# KiCad board MSX OPL4 Wozblaster.kicad_pcb
title: MSX OPL4 Wozblaster Reloaded; date: 2023-08-26; rev: 4.0; company: The Retro Hacker; note: Reloaded by Cristiano Goncalves; note: Original Design by Gustavo Iriarte; note: Wozblaster Reloaded v4
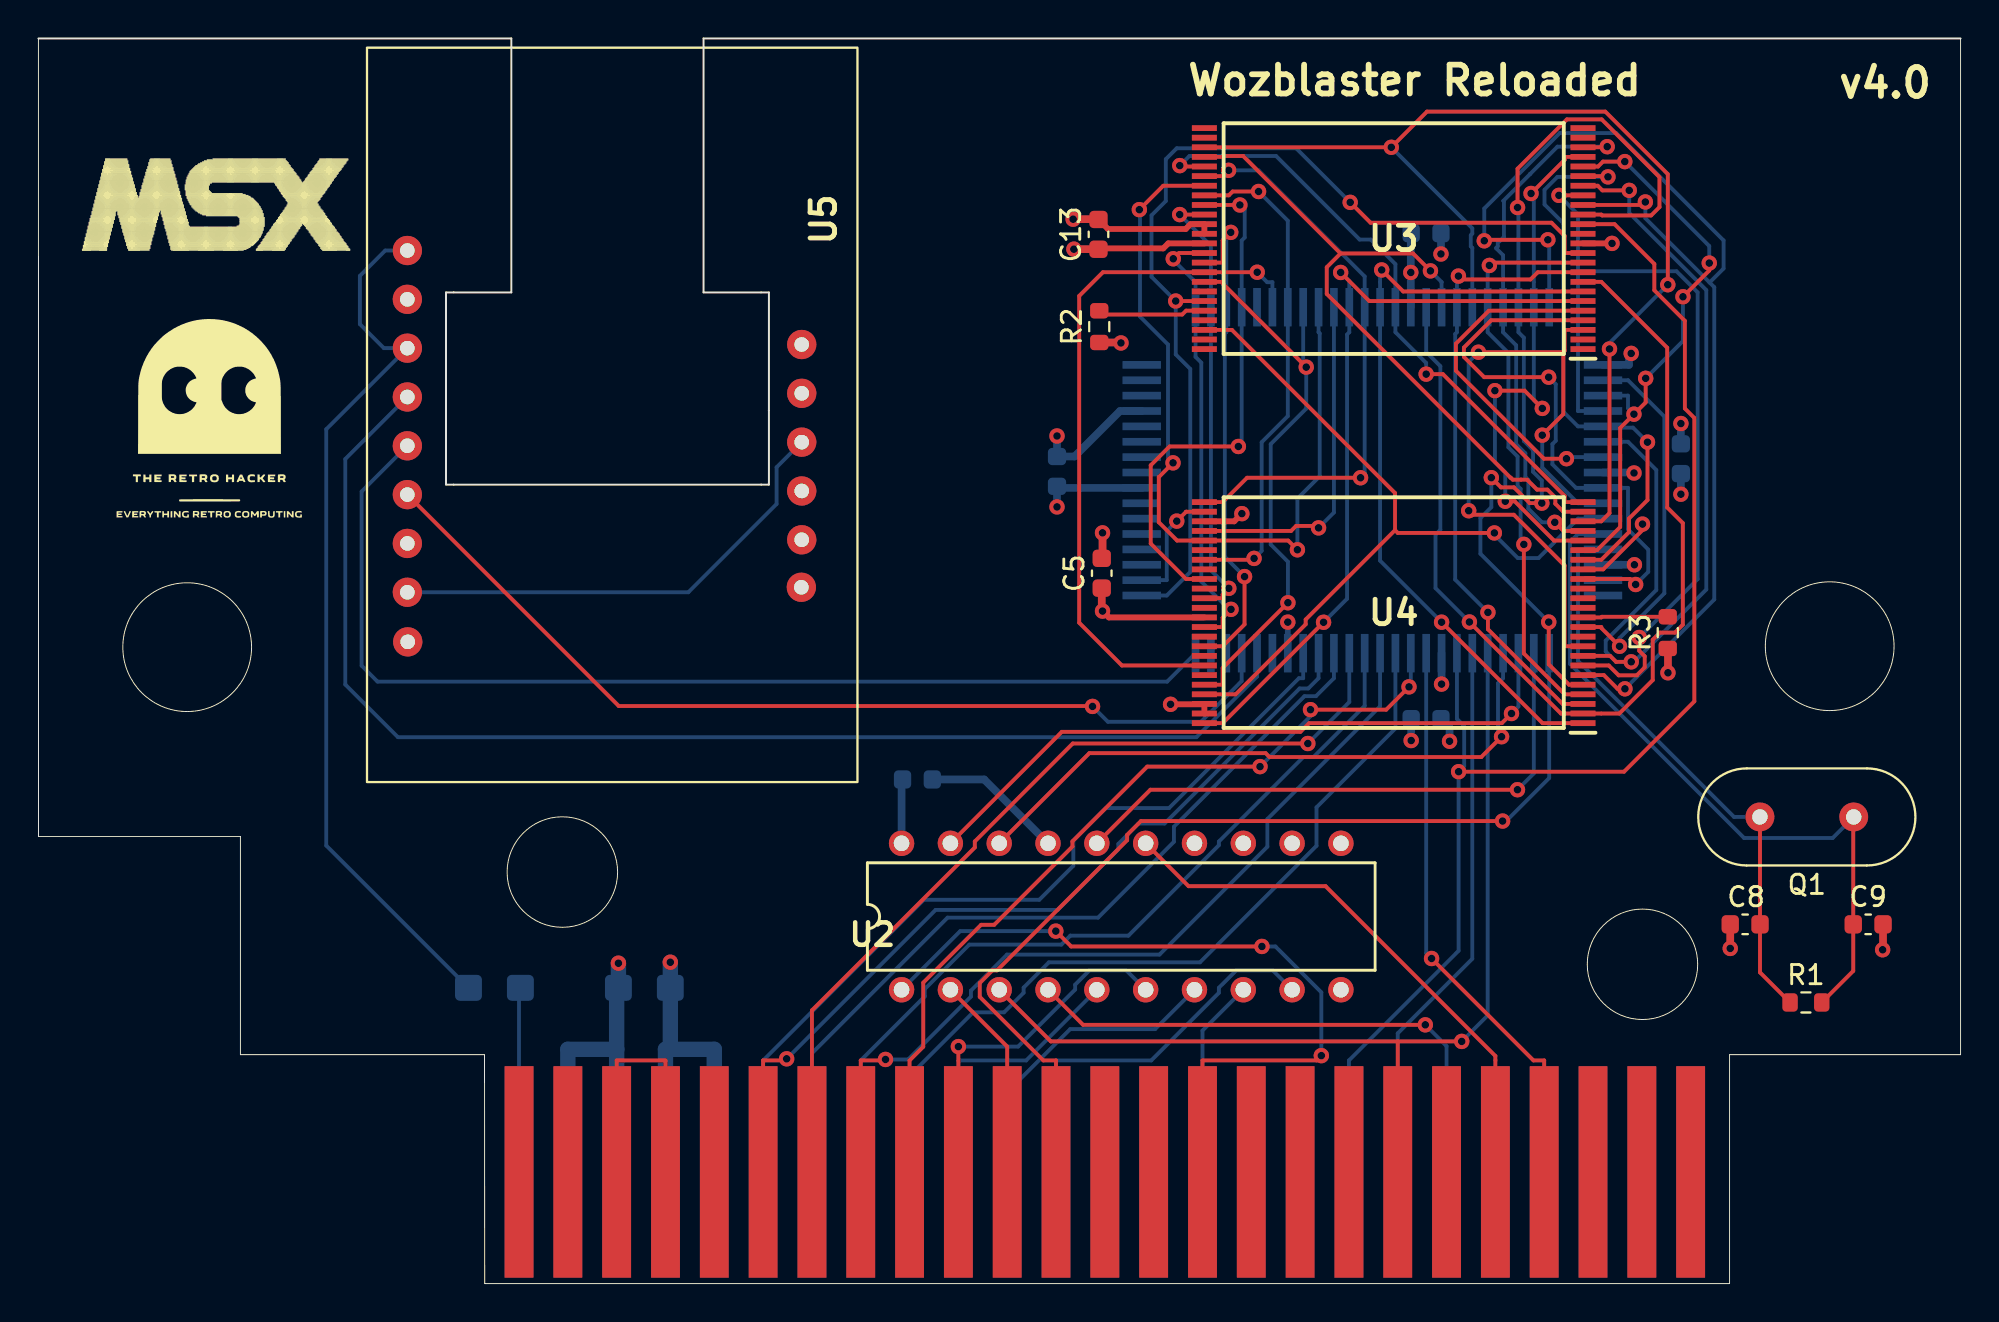
[diagram p0: board, top side]
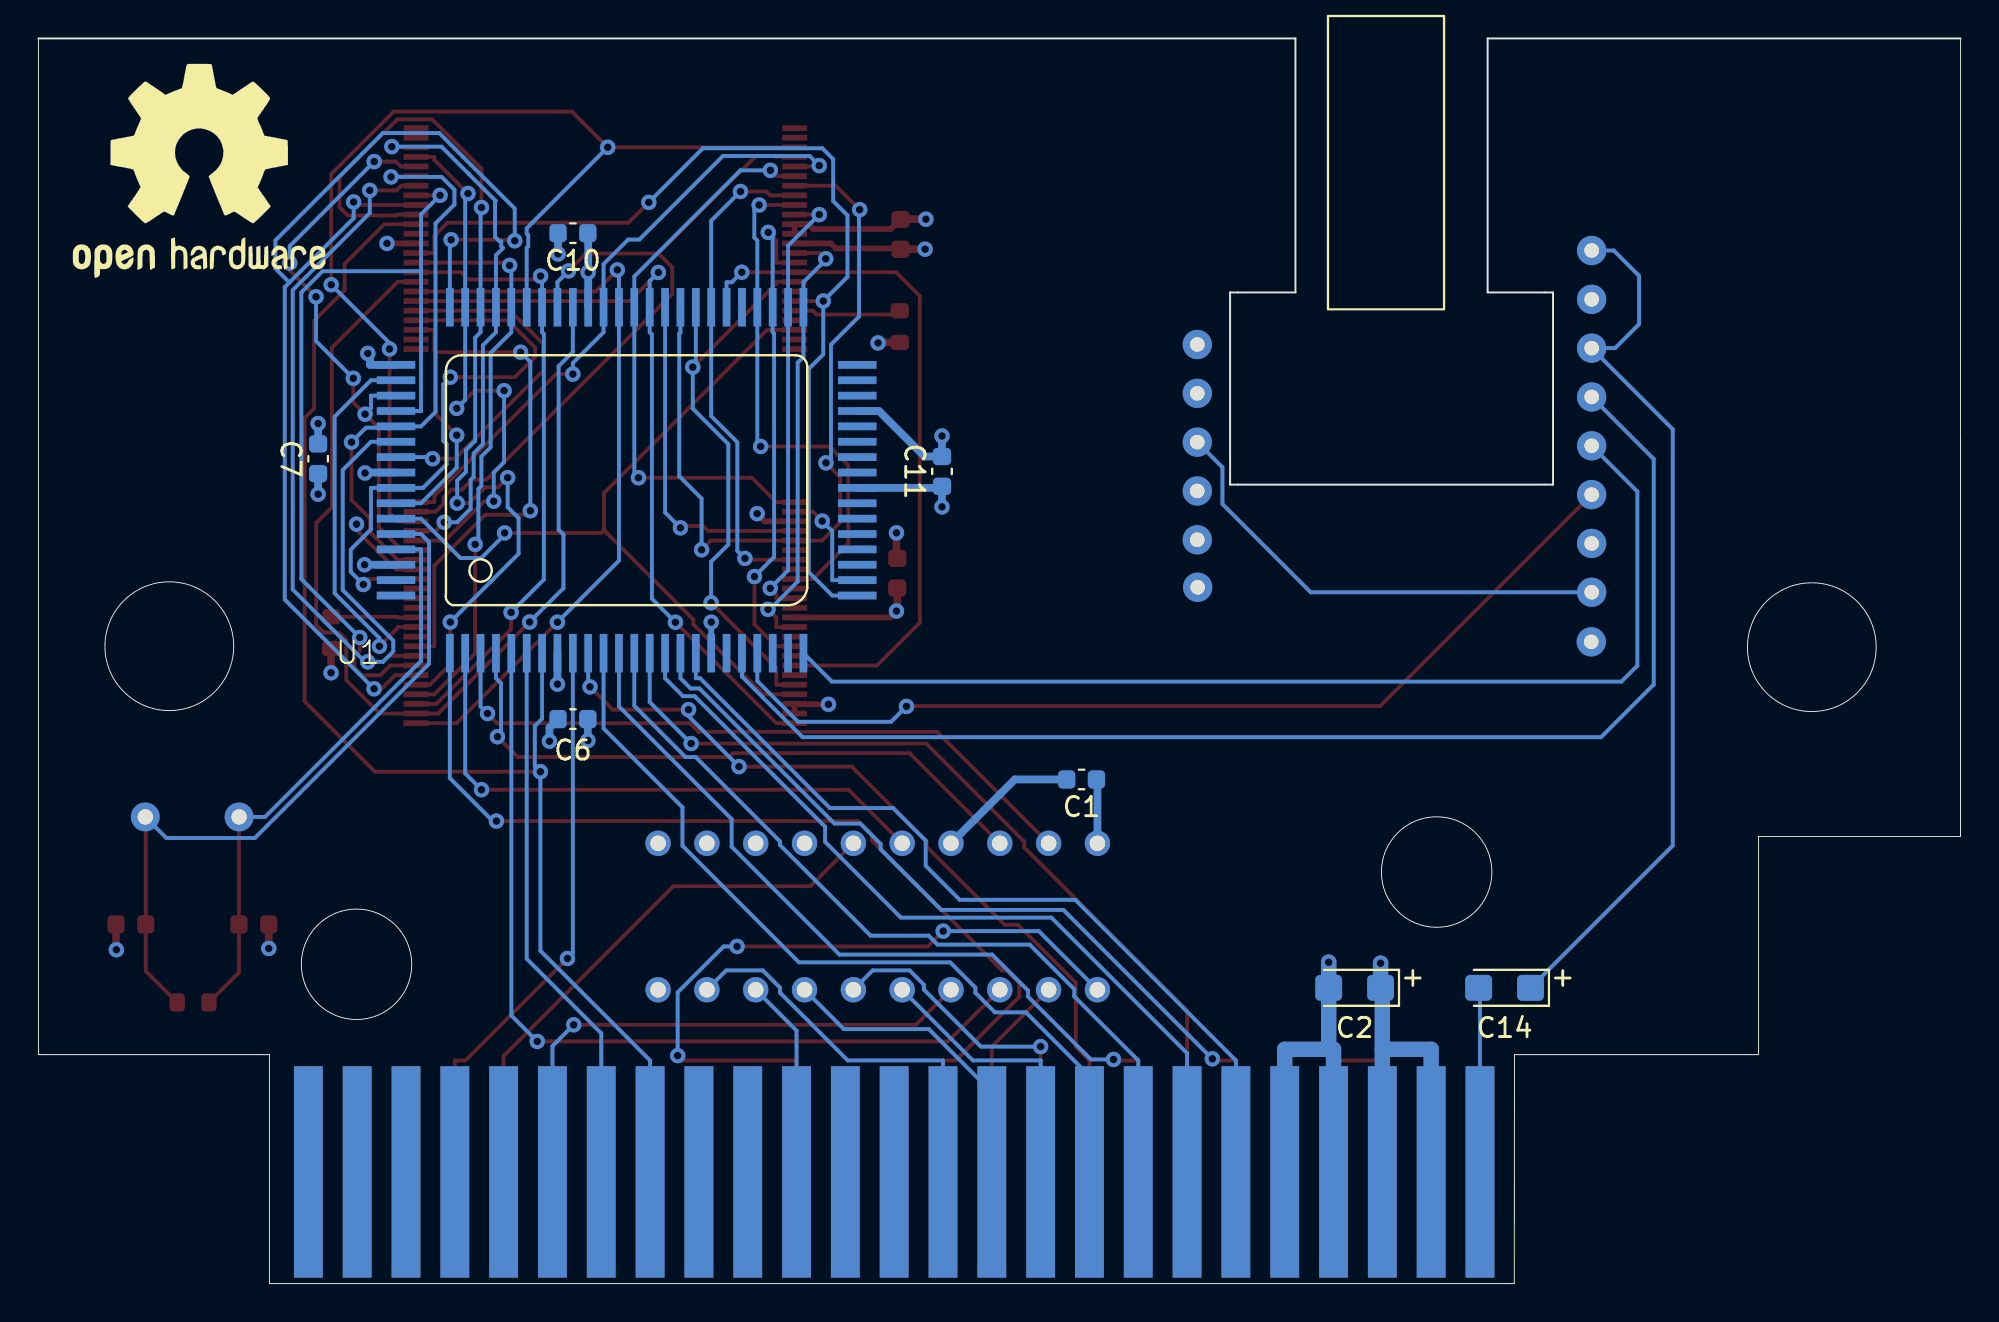
[diagram p1: board, bottom side, seen from below]

Outline 100.01 x 64.78 mm; copper layers: Top, In1.Cu (plane), In2.Cu (plane), Bottom. Coordinates in mm from the lower left corner of the outline.
Outline path: circle c7.74,33.11 r3.35 ; circle c27.26,21.41 r2.87 ; circle c83.46,16.61 r2.87 ; circle c93.2,33.16 r3.35 ; 0,64.78 24.61,64.78 24.61,51.57 21.21,51.57 21.21,41.57 38.01,41.57 38.01,51.57 34.61,51.57 34.61,64.78 100.01,64.78 100.01,11.91 87.99,11.91 87.99,0 23.22,0 23.21,11.91 10.51,11.91 10.51,23.26 0,23.26 0,64.78
Stack: Top 0.035mm / dielectric 0.1mm FR4 er 4.5 / In1.Cu 0.035mm / dielectric 1.24mm FR4 er 4.5 / In2.Cu 0.035mm / dielectric 0.1mm FR4 er 4.5 / Bottom 0.035mm

## Placement (name value [footprint] x y rotation side)
BUS1  MSX_SLOT_EDGE-CON  [msx_cartridge]  55.49 5.68 0 top
C1  0.1uF  [C_0603_1608Metric]  45.74 26.23 0 bottom
C2  10uF/10v  [CP_EIA-3216-18_Kemet-A]  31.53 15.39 0 bottom
C5  0.1uF  [C_0603_1608Metric]  55.33 36.96 90 top
C6  0.1uF  [C_0603_1608Metric]  72.2 29.37 180 bottom
C7  0.1uF  [C_0603_1608Metric]  85.46 42.91 90 bottom
C8  12pF  [C_0603_1608Metric]  88.8 18.69 180 top
C9  12pF  [C_0603_1608Metric]  95.2 18.69 0 top
C10  0.1uF  [C_0603_1608Metric]  72.2 54.65 0 bottom
C11  0.1uF  [C_0603_1608Metric]  53 42.25 90 bottom
C13  0.1uF  [C_0603_1608Metric]  55.16 54.59 90 top
C14  10uF/10v  [CP_EIA-3216-18_Kemet-A]  23.73 15.39 0 bottom
G***  LOGO  [TRH]  8.93 45.07 0 top
LOGO_MSX  -  [LOGO_MSX]  1.22 59.43 0 top
Q1  33.8688  [Crystal_HC49-U_Vertical]  94.45 24.28 180 top
R1  3.3K  [R_0603_1608Metric]  91.96 14.62 0 top
R2  1K  [R_0603_1608Metric]  55.2 49.79 90 top
R3  1K  [R_0603_1608Metric]  84.78 33.87 270 top
REF**  -  [OSHW-Logo2_14.6x12mm_SilkScreen]  91.65 57.91 180 bottom
U1  YMF278B-F  [80-QFP]  69.51 42.1 180 bottom
U2  GAL16V8D  [DIL20]  56.34 19.1 0 top
U3  AM29F016B-120EC  [SOP50P2000X120-48N]  70.52 54.37 180 top
U4  CY62167ELL  [SOP50P2000X120-48N]  70.52 34.91 180 top
U5  -  [UDA1334MOD]  29.91 45.06 90 bottom

## Library data of the parts
BUS1 = -: Description: MSX-compatible edge-connector for the cartridge slots used in the MSX-standard.; MPN: n/a; Manufacturer: n/a
R1-R3 = -: Description: Resistor
U3 = -: Description: Flash Memory IC 16 MEGABIT CMOS FLASH EPROM; Height: 1.2; Manufacturer_Name: AMD
U4 = -: Sim.Device: I; Sim.Params: dc=""; Sim.Pins: 1=+ 2=-; Sim.Type: DC

## Footprints (pads in the part's own frame, mm; a bottom-side part is the same pattern mirrored in y, then rotated)
80-QFP
  rect 0.4x2 smd: 1(-9.1,-9.3) 2(-8.3,-9.3) 3(-7.5,-9.3) 4(-6.7,-9.3) 5(-5.9,-9.3) 6(-5.1,-9.3) 7(-4.3,-9.3) 8(-3.5,-9.3) 9(-2.7,-9.3) 10(-1.9,-9.3) 11(-1.1,-9.3) 12(-0.3,-9.3) 13(0.5,-9.3) 14(1.3,-9.3) 15(2.1,-9.3) 16(2.9,-9.3) 17(3.7,-9.3) 18(4.5,-9.3) 19(5.3,-9.3) 20(6.1,-9.3) 21(6.9,-9.3) 22(7.7,-9.3) 23(8.5,-9.3) 24(9.3,-9.3) 41(9.3,8.7) 42(8.5,8.7) 43(7.7,8.7) 44(6.9,8.7) 45(6.1,8.7) 46(5.3,8.7) 47(4.5,8.7) 48(3.7,8.7) 49(2.9,8.7) 50(2.1,8.7) 51(1.3,8.7) 52(0.5,8.7) 53(-0.3,8.7) 54(-1.1,8.7) 55(-1.9,8.7) 56(-2.7,8.7) 57(-3.5,8.7) 58(-4.3,8.7) 59(-5.1,8.7) 60(-5.9,8.7) 61(-6.7,8.7) 62(-7.5,8.7) 63(-8.3,8.7) 64(-9.1,8.7)
  rect 2x0.4 smd: 25(12.1,-6.3) 26(12.1,-5.5) 27(12.1,-4.7) 28(12.1,-3.9) 29(12.1,-3.1) 30(12.1,-2.3) 31(12.1,-1.5) 32(12.1,-0.7) 33(12.1,0.1) 34(12.1,0.9) 35(12.1,1.7) 36(12.1,2.5) 37(12.1,3.3) 38(12.1,4.1) 39(12.1,4.9) 40(12.1,5.7) 65(-11.9,5.7) 66(-11.9,4.9) 67(-11.9,4.1) 68(-11.9,3.3) 69(-11.9,2.5) 70(-11.9,1.7) 71(-11.9,0.9) 72(-11.9,0.1) 73(-11.9,-0.7) 74(-11.9,-1.5) 75(-11.9,-2.3) 76(-11.9,-3.1) 77(-11.9,-3.9) 78(-11.9,-4.7) 79(-11.9,-5.5) 80(-11.9,-6.3)
C_0603_1608Metric
  rrect 0.9x0.95 smd: 1(-0.775,0) 2(0.775,0)
CP_EIA-3216-18_Kemet-A
  rrect 1.4x1.35 smd: 1(-1.35,0) 2(1.35,0)
Crystal_HC49-U_Vertical
  round 1.5 hole 0.8: 1(0,0) 2(4.88,0)
DIL20
  round 1.321 hole 0.813: 1(-11.43,-3.81) 2(-8.89,-3.81) 3(-6.35,-3.81) 4(-3.81,-3.81) 5(-1.27,-3.81) 6(1.27,-3.81) 7(3.81,-3.81) 8(6.35,-3.81) 9(8.89,-3.81) 10(11.43,-3.81) 11(11.43,3.81) 12(8.89,3.81) 13(6.35,3.81) 14(3.81,3.81) 15(1.27,3.81) 16(-1.27,3.81) 17(-3.81,3.81) 18(-6.35,3.81) 19(-8.89,3.81) 20(-11.43,3.81)
msx_cartridge
  rect 1.5x11 smd far side: 1(30.48,0.127) 3(27.94,0.127) 5(25.4,0.127) 7(22.86,0.127) 9(20.32,0.127) 11(17.78,0.127) 13(15.24,0.127) 15(12.7,0.127) 17(10.16,0.127) 19(7.62,0.127) 21(5.08,0.127) 23(2.54,0.127) 25(0,0.127) 27(-2.54,0.127) 29(-5.08,0.127) 31(-7.62,0.127) 33(-10.16,0.127) 35(-12.7,0.127) 37(-15.24,0.127) 39(-17.78,0.127) 41(-20.32,0.127) 43(-22.86,0.127) 45(-25.4,0.127) 47(-27.94,0.127) 49(-30.48,0.127)
  rect 1.5x11 smd: 2(30.48,0.127) 4(27.94,0.127) 6(25.4,0.127) 8(22.86,0.127) 10(20.32,0.127) 12(17.78,0.127) 14(15.24,0.127) 16(12.7,0.127) 18(10.16,0.127) 20(7.62,0.127) 22(5.08,0.127) 24(2.54,0.127) 26(0,0.127) 28(-2.54,0.127) 30(-5.08,0.127) 32(-7.62,0.127) 34(-10.16,0.127) 36(-12.7,0.127) 38(-15.24,0.127) 40(-17.78,0.127) 42(-20.32,0.127) 44(-22.86,0.127) 46(-25.4,0.127) 48(-27.94,0.127) 50(-30.48,0.127)
R_0603_1608Metric
  rrect 0.8x0.95 smd: 1(-0.825,0) 2(0.825,0)
SOP50P2000X120-48N
  rect 1.3x0.3 smd: 1(-9.85,5.75) 2(-9.85,5.25) 3(-9.85,4.75) 4(-9.85,4.25) 5(-9.85,3.75) 6(-9.85,3.25) 7(-9.85,2.75) 8(-9.85,2.25) 9(-9.85,1.75) 10(-9.85,1.25) 11(-9.85,0.75) 12(-9.85,0.25) 13(-9.85,-0.25) 14(-9.85,-0.75) 15(-9.85,-1.25) 16(-9.85,-1.75) 17(-9.85,-2.25) 18(-9.85,-2.75) 19(-9.85,-3.25) 20(-9.85,-3.75) 21(-9.85,-4.25) 22(-9.85,-4.75) 23(-9.85,-5.25) 24(-9.85,-5.75) 25(9.85,-5.75) 26(9.85,-5.25) 27(9.85,-4.75) 28(9.85,-4.25) 29(9.85,-3.75) 30(9.85,-3.25) 31(9.85,-2.75) 32(9.85,-2.25) 33(9.85,-1.75) 34(9.85,-1.25) 35(9.85,-0.75) 36(9.85,-0.25) 37(9.85,0.25) 38(9.85,0.75) 39(9.85,1.25) 40(9.85,1.75) 41(9.85,2.25) 42(9.85,2.75) 43(9.85,3.25) 44(9.85,3.75) 45(9.85,4.25) 46(9.85,4.75) 47(9.85,5.25) 48(9.85,5.75)
UDA1334MOD
  round 1.524 hole 0.762: 1(-11.67,-10.7) 2(-9.09,-10.72) 3(-6.55,-10.72) 4(-4.01,-10.72) 5(-1.47,-10.72) 6(1.07,-10.72) 7(3.61,-10.72) 8(6.15,-10.72) 9(8.69,-10.72) 10(-8.83,9.78) 11(-6.36,9.8) 12(-3.82,9.8) 13(-1.28,9.8) 14(1.26,9.8) 15(3.8,9.8)

## Nets
+5V: BUS1.45 BUS1.47 C1.1 C2.1 C5.1 C6.1 C7.1 C10.1 C11.1 C13.1 R2.1 R3.2 U1.8 U1.32 U1.55 U1.72 U2.20 U3.12 U3.37 U4.37 U5.1
GND: BUS1.41 BUS1.43 C1.2 C2.2 C5.2 C6.2 C7.2 C8.2 C9.2 C10.2 C11.2 C13.2 U1.18 U1.37 U1.65 U1.78 U2.10 U2.11 U2.12 U2.13 U2.14 U2.17 U3.35 U3.36 U4.27 U4.46 U4.47 U5.3 U5.8
/A0: U1.52 U3.30 U4.25
/A1: U1.54 U3.29 U4.24
/A2: U1.57 U3.28 U4.23
/A3: U1.59 U3.27 U4.22
/A4: U1.61 U3.22 U4.21
/A5: U1.63 U3.21 U4.20
/A6: U1.67 U3.20 U4.19
/A7: U1.69 U3.19 U4.18
/A8: U1.70 U3.18 U4.8
/A9: U1.68 U3.17 U4.7
/A10: U1.64 U3.16 U4.6
/A11: U1.62 U3.15 U4.5
/A12: U1.60 U3.10 U4.4
/A13: U1.58 U3.9 U4.3
/A14: U1.56 U3.8 U4.2
/A15: U1.53 U3.7 U4.1
/A16: U1.51 U3.6 U4.48
/A17: U1.71 U3.5 U4.17
/A18: U1.73 U3.4 U4.16
/A19: U1.74 U3.3 U4.9
/A20: U1.75 U3.46 U4.45
/AA0: BUS1.28 U1.1
/AA1: BUS1.27 U2.9
/AA2: BUS1.30 U2.2
/AA3: BUS1.29 U2.7
/AA4: BUS1.32 U2.6
/AA5: BUS1.31 U2.5
/AA6: BUS1.22 U2.1
/AA7: BUS1.21 U2.8
/BCO: U1.20 U5.6
/D0: BUS1.34 U1.10
/D1: BUS1.33 U1.11
/D2: BUS1.36 U1.12
/D3: BUS1.35 U1.13
/D4: BUS1.38 U1.14
/D5: BUS1.37 U1.15
/D6: BUS1.40 U1.16
/D7: BUS1.39 U1.17
/DO2: U1.24 U5.5
/LRO: U1.21 U5.4
/MD0: U1.49 U3.31 U4.29
/MD1: U1.47 U3.32 U4.31
/MD2: U1.44 U3.33 U4.33
/MD3: U1.42 U3.34 U4.35
/MD4: U1.41 U3.38 U4.38
/MD5: U1.43 U3.39 U4.40
/MD6: U1.46 U3.40 U4.42
/MD7: U1.48 U3.41 U4.44
/SLTSOUND: BUS1.49 C14.2
/~{BUSDIR}: BUS1.10 U2.15
/~{CS0}: U1.26 U4.26
/~{INT}: BUS1.8 U1.9
/~{IORQ}: BUS1.11 U2.4
/~{MRD}: U1.50 U4.28
/~{MWR}: U1.66 U4.11
/~{RD}: BUS1.14 U1.5 U2.3
/~{RESET}: BUS1.15 U1.7 U3.14
/~{ROM}: U1.25 U3.11 U3.43
/~{WR}: BUS1.13 U1.6
Net-(BUS1-SW1): BUS1.44 BUS1.46
Net-(C14-+): C14.1 U5.7 U5.9
Net-(U1-A1): U1.2 U2.16
Net-(U1-A2): U1.3 U2.19
Net-(U1-XI): C8.1 Q1.2 R1.1 U1.77
Net-(U1-XO): C9.1 Q1.1 R1.2 U1.76
Net-(U1-~{CS}): U1.4 U2.18
Net-(U3-WE#): R2.2 U3.44
Net-(U4-~{CE2}): R3.1 U4.12
Net-(U5-3VO): U5.2 U5.13

Pads without a net: BUS1 1 2 3 4 5 6 7 9 12 16 17 18 19 20 23 24 25 26 42 48 50; U1 19 22 23 27 28 29 30 31 33 34 35 36 38 39 40 45 79 80; U3 1 2 13 23 24 25 26 42 45 47 48; U4 10 13 14 15 30 32 34 36 39 41 43; U5 10 11 12 14 15

## Via types
v1: diameter 0.8, hole 0.4, Top to Bottom, 116 vias

## Routing (per net, layer and track width the routed paths; a pad name or vN(x,y) marks a point on that pad's centre or on a via; arc(x,y) is an arc through that point)
+5V: length 55.5
  Top w0.3: U4.37 55.7,34.66 v1(55.37,34.99) 55.33,35.03 ; 55.15,53.82 C13.1 55.2,53.86 58.53,53.86 58.79,54.12 U3.37 ; 56.3,48.96 v1(56.33,48.94) ; 84.79,33.03 R3.2 ; U3.12 v1(81.88,54.12)
  Top w0.4: C5.1 55.33,35.03 ; v1(84.79,31.78) 84.79,33.03 ; R2.1 56.3,48.96 ; v1(53.88,53.82) 55.15,53.82
  Bottom w0.3: C11.1 53.08,41.4 ; 44.91,26.18 C1.1 ; 82.76,42.2 82.78,42.17 v1(83.02,42.17) ; 71.41,54.63 C10.1
  Bottom w0.4: U1.8 v1(73.01,31.19) ; v1(73.42,28.22) 73.42,28.92 C6.1 ; 53.08,41.4 U1.32 ; U2.20 44.91,26.18 ; U1.72 82.76,42.2 ; 71.41,54.63 v1(71.41,52.6) U1.55 ; C7.1 v1(85.46,41.07) ; C11.1 v1(53,40.41)
  Bottom w0.8: BUS1.45 30.09,12.19 ; 30.09,12.19 30.09,15.29 ; 30.09,12.19 27.55,12.19 BUS1.47 ; C2.1 v1(30.18,16.67)
GND: length 58.1
  Top w0.3: 55.14,55.38 C13.2 55.65,54.87 59.69,54.87 59.94,55.12 U3.35 U3.36 ; U4.47 U4.46 60.65,30.14 v1(58.91,30.14) ; U4.27 62.22,39.66 v1(62.62,40.06) ; 95.98,17.39 v1(95.96,17.37) ; 55.37,37.77 C5.2
  Top w0.4: v1(88.03,17.44) C8.2 ; v1(53.84,55.38) 55.14,55.38 ; v1(55.37,39.06) 55.37,37.77 ; C9.2 95.98,17.39
  Bottom w0.3: U1.18 v1(65.01,34.41) ; 82.76,48.28 v1(82.87,48.39)
  Bottom w0.4: v1(72.97,53.57) C10.2 ; U1.78 v1(83.04,37.4) ; U1.65 82.76,47.8 82.76,48.28 ; C1.2 49.21,26.23 U2.17 ; v1(71.42,28.25) C6.2 ; C7.2 v1(85.46,44.74) ; v1(53,44.1) C11.2 53.91,43.03 56.28,45.4 U1.37
  Bottom w0.8: v1(32.88,16.72) C2.2 32.88,12.19 ; BUS1.41 35.17,12.19 32.63,12.19 BUS1.43
/A0: length 30
  Top w0.2: v1(61.93,57.92) 61.62,57.62 U3.30 ; v1(68.79,41.92) 62.88,41.92 61.62,40.66 U4.25
  Bottom w0.2: v1(61.93,57.92) 63.48,57.92 69.01,52.4 U1.52 69.01,42.14 v1(68.79,41.92)
/A1: length 32.5
  Top w0.2: v1(72.2,47.32) 73.07,47.32 79.41,40.97 79.41,40.66 U4.24 ; U3.29 59.71,58.12 59.67,58.16 v1(59.39,58.16)
  Bottom w0.2: v1(59.39,58.16) 59.89,58.66 64.39,58.66 68.74,54.32 69.33,54.32 70.61,53.04 U1.54 70.61,49.49 72.2,47.9 v1(72.2,47.32)
/A2: length 37
  Top w0.2: v1(72.43,52.69) 71.52,53.59 67.75,53.59 ; U3.28 61.62,58.62 61.66,58.66 62.68,58.66 67.75,53.59 ; 67.75,53.59 67.03,52.87 67.03,51.49 76.59,41.93 76.61,41.93 76.71,41.83 77.14,41.83 77.14,41.82 77.46,41.82 77.97,41.31 78.51,41.31 78.92,40.9 78.92,40.57 79.34,40.16 U4.23
  Bottom w0.2: U1.57 73.01,52.11 v1(72.43,52.69)
/A3: length 56.8
  Top w0.2: U3.27 v1(70.39,59.12) 72.25,60.97 81.52,60.97 84.78,57.72 v1(84.78,51.97) ; U4.22 81.32,39.66 81.74,40.08 v1(81.74,48.62)
  Bottom w0.2: v1(70.39,59.12) 74.61,54.9 74.61,54.62 74.53,54.54 74.53,53.96 74.61,53.88 U1.59 ; v1(84.78,51.97) 81.74,48.93 v1(81.74,48.62)
/A4: length 28.1
  Top w0.2: v1(81.62,59.15) 81.59,59.12 U3.22 ; U4.21 79.35,39.16 v1(78.9,39.61)
  Bottom w0.2: v1(81.62,59.15) 79.04,59.15 77.62,57.73 77.62,57.73 76.22,56.33 76.25,56.3 76.25,54.46 76.02,54.22 75.93,54.22 75.93,53.96 75.85,53.88 75.85,53.86 76.21,53.5 U1.61 76.21,49.49 76.89,48.81 76.89,43.67 77.36,43.19 77.36,41.97 77.52,41.81 77.52,40.31 78.23,39.61 v1(78.9,39.61)
/A5: length 28.7
  Top w0.2: v1(78.25,45.53) 77.32,46.45 v1(75.78,46.45) ; U3.21 79.41,58.62 79.41,58.47 v1(77.66,56.71) ; U4.20 78.86,38.66 76.81,40.7 v1(76.32,40.7)
  Bottom w0.2: v1(75.78,46.45) 75.78,42.73 76.32,42.2 v1(76.32,40.7) ; v1(78.25,45.53) 77.81,45.97 U1.63 77.81,56.57 v1(77.66,56.71)
/A6: length 29.9
  Top w0.2: U4.19 81.1,38.16 82.3,39.36 82.3,44.52 v1(83.02,45.23) 83.63,45.84 v1(83.63,47.1) ; v1(86.93,53.09) 86.93,52.71 v1(85.57,51.34) ; v1(82.54,58.37) 81.41,58.37 81.15,58.12 U3.20
  Bottom w0.2: v1(82.54,58.37) 86.93,53.98 v1(86.93,53.09) ; v1(83.63,47.1) 85.57,49.04 v1(85.57,51.34) ; v1(83.02,45.23) 82.71,45.54 82.71,46.2 U1.67
/A7: length 30
  Top w0.2: U4.18 81.32,37.66 82.76,39.1 82.76,39.8 83.72,40.76 v1(83.72,43.78) ; U3.19 81.63,57.62 v1(81.67,57.58)
  Bottom w0.2: v1(83.72,43.78) 82.97,44.53 81.47,44.53 U1.69 80.1,44.6 79.35,45.35 79.35,55.15 78.36,56.14 78.36,56.91 79.03,57.58 v1(81.67,57.58)
/A8: length 48.5
  Top w0.2: U3.18 81.13,57.12 81.37,56.88 v1(82.77,56.88) ; v1(82.87,32.35) 82.08,32.35 81.77,32.66 U4.8
  Bottom w0.2: U1.70 82.71,43.8 84.18,42.33 84.18,36.08 81.55,33.45 81.55,32.88 82.08,32.35 v1(82.87,32.35) 83.02,32.35 86.78,36.11 86.78,51.69 82.77,55.7 v1(82.77,56.88)
/A9: length 45.3
  Top w0.2: U4.7 81.71,32.16 82.22,31.64 83.16,31.64 83.58,32.06 83.58,32.64 83.29,32.92 v1(83.29,33.61) ; v1(79.11,56.62) U3.17
  Bottom w0.2: U1.68 80.1,45.4 80.1,52.67 ; v1(83.29,33.61) 86.33,36.65 86.33,51.57 85.23,52.67 80.1,52.67 ; 80.1,52.67 80.1,55.63 v1(79.11,56.62)
/A10: length 62
  Top w0.2: v1(75.23,54.25) 75.28,54.3 v1(78.54,54.3) ; v1(82.55,30.94) 82.16,30.94 81.45,31.66 U4.6 ; v1(83.61,56.27) 83.45,56.12 U3.16
  Bottom w0.2: 86.95,52.08 87.68,52.81 87.68,54.27 82.09,59.86 79.16,59.86 75.23,55.93 v1(75.23,54.25) ; 86.95,52.08 87.2,51.84 87.2,35.59 v1(82.55,30.94) ; 86.95,52.08 83.61,55.43 v1(83.61,56.27) ; v1(78.54,54.3) 78.61,54.24 U1.64
/A11: length 50.2
  Top w0.2: U4.5 79.64,31.16 78.58,32.21 v1(78.58,34.41) ; v1(76.96,55.98) 76.96,58 79.53,60.57 81.34,60.57 84.34,57.56 84.34,56.01 83.91,55.57 81.36,55.57 81.32,55.62 U3.15 ; v1(75.6,41.93) 76.1,41.42 76.77,41.42 77.59,40.6 v1(78.22,40.6)
  Bottom w0.2: v1(78.58,34.41) 75.03,37.97 75.03,39.83 75.6,40.39 v1(75.6,41.93) ; v1(76.96,55.98) 77.01,55.94 U1.62 77.01,49.49 77.29,49.21 77.29,43.84 77.77,43.36 77.77,42.23 78.22,41.78 v1(78.22,40.6)
/A12: length 29.9
  Top w0.2: v1(77.29,38.46) 77.29,32.78 79.41,30.66 U4.4 ; v1(75.49,52.97) 75.64,53.12 U3.10
  Bottom w0.2: v1(77.29,38.46) 77.12,38.63 77.12,41.35 76.96,41.5 76.96,43.03 76.48,43.51 76.48,48.42 75.41,49.49 U1.60 75.41,52.88 v1(75.49,52.97)
/A13: length 32.4
  Top w0.2: v1(75.42,34.92) 75.42,34.04 79.3,30.16 U4.3 ; U3.9 78.01,52.62 77.63,52.24 74.06,52.24 v1(73.88,52.42)
  Bottom w0.2: v1(73.88,52.42) 73.81,52.34 U1.58 73.81,49.49 73.71,49.4 73.71,36.62 v1(75.42,34.92)
/A14: length 54.3
  Top w0.2: U3.8 81.32,52.12 84.75,48.69 84.75,40.38 85.56,39.57 85.56,34.28 85.15,33.87 84.36,33.87 83.99,33.5 83.99,31.4 82.25,29.66 U4.2 79.22,29.66 v1(74.45,34.42)
  Bottom w0.2: U1.56 72.21,48.47 72.94,47.73 72.94,39.22 72.69,38.97 72.69,36.18 v1(74.45,34.42)
/A15: length 40.2
  Top w0.2: U4.1 78.26,29.16 v1(73.01,34.41) ; U3.7 71.01,51.62 v1(69.89,52.74)
  Bottom w0.2: v1(69.89,52.74) 69.81,52.65 U1.53 69.81,37.61 v1(73.01,34.41)
/A16: length 40.5
  Top w0.2: v1(66.87,34.41) 61.62,29.16 U4.48 ; v1(67.76,52.6) 69.24,51.12 U3.6
  Bottom w0.2: v1(67.76,52.6) 68.21,52.15 U1.51 68.21,49.49 68.09,49.38 68.09,35.63 v1(66.87,34.41)
/A17: length 27.9
  Top w0.2: U3.5 75.47,50.62 73.75,48.9 73.75,47.49 78.33,42.92 v1(79.5,42.92) ; v1(83.46,39.51) 83.46,39.2 81.41,37.16 U4.17
  In1.Cu w0.2: v1(83.46,39.51) 80.06,42.92 v1(79.5,42.92)
  Bottom w0.2: v1(79.5,42.92) 79.59,43 U1.71
/A18: length 29.9
  Top w0.2: U3.4 75.59,50.12 74.17,48.7 74.17,48.21 75.22,47.16 v1(78.58,47.16) ; U4.16 82.82,36.66 v1(83.1,36.37)
  Bottom w0.2: v1(83.1,36.37) 83.76,37.03 83.76,38.19 82.71,39.24 82.71,41.4 U1.73 80,41.4 78.77,42.62 78.77,43.68 78.95,43.85 78.95,46.79 v1(78.58,47.16)
/A19: length 36.7
  Top w0.2: v1(74.42,40.21) 74.63,40 76.77,40 79.41,37.35 79.41,33.16 U4.9 ; 79.34,48.46 79.34,45.24 v1(78.25,44.14) ; 79.34,48.46 v1(74.92,48.46) ; 79.34,48.46 79.41,48.53 79.41,49.62 U3.3
  Bottom w0.2: v1(78.25,44.14) 78.25,42.45 80.1,40.6 U1.74 ; v1(74.92,48.46) 74.42,47.95 v1(74.42,40.21)
/A20: length 41.3
  Top w0.2: U3.46 62.09,49.62 70.58,41.13 70.58,39.2 ; v1(75.75,39.05) 70.73,39.05 70.58,39.2 ; 70.58,39.2 65.94,34.55 65.94,34.3 62.29,30.66 U4.45
  Bottom w0.2: U1.75 80.1,39.8 78.05,37.75 76.97,37.75 75.75,38.96 v1(75.75,39.05)
/AA0: length 52.6
  Top w0.2: v1(76.18,24.06) 57.36,24.06 56.65,23.35 56.65,23.07 49.87,16.29 49.64,16.29 48.98,15.64 48.98,14.92 52.28,11.61 52.95,11.61 BUS1.28
  Bottom w0.2: U1.1 78.61,26.3 76.37,24.06 v1(76.18,24.06)
/AA1: length 20.6
  Bottom w0.2: U2.9 64.22,16.29 62.32,16.29 61.42,15.39 61.42,15.13 57.9,11.61 52.95,11.61 BUS1.27
/AA2: length 10.7
  Top w0.2: BUS1.30 50.41,12.33 U2.2
/AA3: length 16.1
  Bottom w0.2: BUS1.29 50.41,9.96 53.68,13.24 58.1,13.24 U2.7
/AA4: length 18.5
  Top w0.2: BUS1.32 v1(47.87,12.33)
  Bottom w0.2: v1(47.87,12.33) 47.87,12.33 50.97,12.33 53.94,15.3 53.94,15.55 54.69,16.3 56.6,16.3 U2.6
/AA5: length 14.5
  Bottom w0.2: U2.5 51.39,11.61 47.87,11.61 BUS1.31
/AA6: length 39.8
  Top w0.2: v1(63.66,17.54) 53.73,17.54 v1(52.94,18.34) ; v1(66.75,11.86) 66.5,11.61 60.57,11.61 BUS1.22
  Bottom w0.2: v1(66.75,11.86) 66.75,15.15 64.36,17.54 v1(63.66,17.54) ; U2.1 47.96,18.34 v1(52.94,18.34)
/AA7: length 10.4
  Bottom w0.2: BUS1.21 60.57,13.16 U2.8
/BCO: length 67.4
  Bottom w0.2: U1.20 63.41,31.58 60.25,28.43 18.71,28.43 15.97,31.17 15.97,42.9 U5.6
/D0: length 43.9
  Top w0.2: v1(71.31,31.04) 70.13,29.86 v1(66.19,29.86) ; BUS1.34 45.33,11.61 46.04,12.32 46.04,15.65 49.05,18.66 49.73,18.66 53.8,22.74 53.8,23 57.69,26.9 v1(63.56,26.9)
  Bottom w0.2: v1(66.19,29.86) 66.19,29.52 v1(63.56,26.9) ; U1.10 71.41,31.14 v1(71.31,31.04)
/D1: length 43
  Bottom w0.2: BUS1.33 45.33,10.8 48.63,14.11 50.24,14.11 51.26,15.13 51.26,15.4 52.57,16.71 60.44,16.71 66.5,22.78 66.5,24.78 70.61,28.88 U1.11
/D2: length 44.2
  Top w0.2: BUS1.36 42.79,11.61 44.02,11.61 v1(44.07,11.66)
  Bottom w0.2: v1(44.07,11.66) 45.25,11.66 48.52,14.93 48.52,15.24 50.39,17.11 58.33,17.11 63.94,22.73 63.94,24.17 69.81,30.03 U1.12
/D3: length 42.7
  Bottom w0.2: BUS1.35 42.79,11.61 46.12,14.94 46.12,15.32 48.43,17.63 53.23,17.63 53.69,18.1 53.69,18.1 56.71,18.1 61.42,22.81 61.42,23 65.82,27.39 66.34,27.39 69.01,30.06 U1.13
/D4: length 45.7
  Top w0.2: v1(66.05,28.1) 53.82,28.1 48.72,23 48.72,22.69 40.25,14.21 BUS1.38
  Bottom w0.2: U1.14 68.21,30.25 v1(66.05,28.1)
/D5: length 43.2
  Bottom w0.2: BUS1.37 40.25,11.98 47.3,19.04 55.13,19.04 59.08,22.98 59.08,23.77 65.87,30.56 66.47,30.56 67.41,31.49 U1.15
/D6: length 44.4
  Top w0.2: BUS1.40 37.71,11.61 38.85,11.61 v1(38.93,11.69)
  Bottom w0.2: v1(38.93,11.69) 46.68,19.44 53.04,19.44 56.19,22.59 56.19,22.87 57.25,23.93 58.59,23.93 65.62,30.96 66.07,30.96 66.61,31.49 U1.16
/D7: length 44.2
  Bottom w0.2: U1.17 65.81,31.49 65.58,31.49 58.83,24.74 55.54,24.74 53.85,23.05 53.85,21.74 52.08,19.97 46.06,19.97 37.71,11.61 BUS1.39
/DO2: length 56.8
  Bottom w0.2: U1.24 58.73,31.32 17.65,31.32 16.82,32.15 16.82,41.21 U5.5
/LRO: length 50.6
  Top w0.2: U5.4 30.19,30.05 54.83,30.05 v1(54.85,30.03)
  Bottom w0.2: U1.21 62.61,31.35 60.49,29.23 55.65,29.23 v1(54.85,30.03)
/MD0: length 42.1
  Top w0.2: v1(59.03,42.7) 58.29,41.96 58.29,39.61 59.24,38.66 U4.29 65.03,38.66 v1(65.51,38.18) ; U3.31 58.53,57.12 v1(57.28,55.87)
  Bottom w0.2: v1(59.03,42.7) 58.77,42.96 58.77,48.85 57.32,50.31 57.32,55.84 v1(57.28,55.87) ; v1(65.51,38.18) 65.51,40.84 66.67,42 66.67,49.43 66.61,49.49 U1.49
/MD1: length 26
  Top w0.2: U3.32 61.94,56.62 62.14,56.82 v1(63.48,56.82) ; v1(63.25,37.73) 63.18,37.66 U4.31
  Bottom w0.2: v1(63.25,37.73) 63.65,38.12 63.65,43.77 65.01,45.13 U1.47 65.01,55.29 v1(63.48,56.82)
/MD2: length 27.2
  Top w0.2: v1(62.51,56.11) 62.51,56.12 U3.33 ; v1(62.43,43.55) 58.85,43.55 57.87,42.57 57.87,38.5 59.71,36.66 U4.33
  Bottom w0.2: v1(62.43,43.55) 62.61,43.72 U1.44 62.61,54.27 62.76,54.42 62.76,55.87 v1(62.51,56.11)
/MD3: length 23.4
  Top w0.2: U3.34 v1(59.38,55.62) ; v1(61.94,36.17) 61.62,35.85 61.62,35.66 U4.35
  Bottom w0.2: v1(61.94,36.17) 61.01,37.1 U1.42 61.01,53.99 v1(59.38,55.62)
/MD4: length 23.3
  Top w0.2: v1(59.05,53.32) 59.35,53.62 U3.38 ; v1(62.05,35.08) 61.62,34.64 61.62,34.16 U4.38
  Bottom w0.2: v1(59.05,53.32) 59.05,53.26 60.21,52.1 U1.41 60.21,48.21 60.51,47.91 60.51,36.52 61.95,35.08 v1(62.05,35.08)
/MD5: length 26.2
  Top w0.2: v1(62.04,54.69) 61.62,54.27 61.62,53.12 U3.39 ; v1(62.75,36.78) 62.75,34.29 61.62,33.16 U4.40
  Bottom w0.2: v1(62.04,54.69) 61.81,54.46 U1.43 61.81,49.49 61.73,49.42 61.73,37.8 v1(62.75,36.78)
/MD6: length 36.5
  Top w0.2: U4.42 56.38,32.16 54.15,34.38 54.15,51.38 55.39,52.62 U3.40 v1(63.41,52.62)
  Bottom w0.2: U1.46 64.21,52.1 63.93,52.1 v1(63.41,52.62)
/MD7: length 30.4
  Top w0.2: U4.44 61.62,31.16 61.62,32.03 v1(65.01,35.42) ; U3.41 61.62,52.12 61.62,52.03 v1(65.96,47.68)
  Bottom w0.2: v1(65.01,35.42) 65.01,37.55 64.12,38.45 64.12,43.67 65.96,45.52 v1(65.96,47.68) 65.81,47.84 U1.48
/SLTSOUND: length 9.6
  Bottom w0.2: C14.2 25.01,15.32 BUS1.49
/~{BUSDIR}: length 28.8
  Top w0.2: U2.15 59.84,20.67 66.97,20.67 75.81,11.84 BUS1.10
/~{CS0}: length 6.2
  Top w0.2: v1(59.23,39.67) 59.71,40.15 59.71,40.16 U4.26
  Bottom w0.2: v1(59.23,39.67) 58.71,39.15 58.71,36.6 U1.26
/~{INT}: length 29.9
  Top w0.2: BUS1.8 78.35,11.61 77.79,11.61 v1(72.48,16.91)
  Bottom w0.2: v1(72.48,16.91) 72.21,17.19 U1.9
/~{IORQ}: length 28.5
  Top w0.2: v1(72.16,13.46) 54.35,13.46 U2.4
  Bottom w0.2: v1(72.16,13.46) 73.27,12.35 BUS1.11
/~{MRD}: length 17.9
  Top w0.2: v1(66.61,39.32) 66.51,39.42 65.44,39.42 65.18,39.16 U4.28
  Bottom w0.2: U1.50 67.41,40.12 v1(66.61,39.32)
/~{MWR}: length 19.2
  Top w0.2: U4.11 81.32,34.16 81.32,34.11 v1(82.27,33.16)
  Bottom w0.2: v1(82.27,33.16) 82.27,33.58 84.6,35.91 84.6,45.11 82.71,47 U1.66
/~{RD}: length 52.7
  Top w0.2: v1(74.06,12.6) 70.73,12.6 ; 70.73,12.6 52.68,12.6 U2.3 ; 70.73,12.6 BUS1.14
  Bottom w0.2: U1.5 75.41,13.95 v1(74.06,12.6)
/~{RESET}: length 71.6
  Top w0.2: U3.14 82.01,55.12 84.08,53.05 84.08,51.68 85.67,50.09 85.67,45.53 86.16,45.03 86.16,30.29 82.5,26.63 v1(73.89,26.63)
  Bottom w0.2: U1.7 73.81,29.38 74.18,29 74.18,26.92 v1(73.89,26.63) 73.89,17.32 68.19,11.61 BUS1.15
/~{ROM}: length 51.9
  Top w0.2: v1(68.25,56.25) 69.31,55.19 78.72,55.19 79.41,54.5 79.41,53.62 U3.11 ; v1(59.17,51.12) 59.17,51.12 U3.43
  Bottom w0.2: v1(68.25,56.25) 65.44,59.07 59.22,59.07 58.66,58.5 58.66,56.32 57.92,55.58 57.92,52.38 v1(59.17,51.12) 59.18,51.12 59.18,48.34 59.93,47.59 59.93,37.02 58.71,35.8 U1.25
/~{WR}: length 28.6
  Bottom w0.2: BUS1.13 70.73,13.02 74.61,16.9 U1.6
Net-(BUS1-SW1): length 14.1
  Top w0.2: BUS1.46 30.09,11.61 32.63,11.61 BUS1.44
Net-(C14-+): length 46.6
  Bottom w0.2: C14.1 14.98,22.79 14.98,44.45 U5.7 17.98,48.67 16.72,49.92 16.72,52.43 18.05,53.75 U5.9
Net-(U1-A1): length 30.5
  Top w0.2: v1(76.96,25.69) 57.86,25.69 U2.16
  Bottom w0.2: U1.2 77.81,26.54 v1(76.96,25.69)
Net-(U1-A2): length 35.3
  Top w0.2: v1(76.64,29.66) 76.14,29.16 66.12,29.16 65.66,28.7 53.25,28.7 U2.19
  Bottom w0.2: v1(76.64,29.66) 77.01,30.02 U1.3
Net-(U1-XI): length 30.2
  Top w0.2: Q1.2 89.58,24.27 C8.1 89.58,16.19 R1.1
  Bottom w0.2: U1.77 80.1,38.2 80.1,32.39 88.22,24.28 Q1.2
Net-(U1-XO): length 37.5
  Top w0.2: Q1.1 94.43,24.25 C9.1 94.43,16.26 R1.2
  Bottom w0.2: U1.76 80.1,39 79.69,38.58 79.69,32.24 88.75,23.18 93.35,23.18 Q1.1
Net-(U1-~{CS}): length 33.1
  Top w0.2: v1(76.13,28.45) 75.07,27.39 64.05,27.39 63.85,27.6 54.68,27.6 U2.18
  Bottom w0.2: v1(76.13,28.45) 75.94,28.64 75.94,31.23 76.21,31.49 U1.4
Net-(U3-WE#): length 5.6
  Top w0.2: R2.2 55.39,50.42 59.51,50.42 59.71,50.62 U3.44
Net-(U4-~{CE2}): length 4.4
  Top w0.2: U4.12 81.32,34.66 81.35,34.69 R3.1
Net-(U5-3VO): length 24.9
  Bottom w0.2: U5.2 33.82,35.97 38.41,40.56 38.41,42.47 U5.13

## Copper pours and planes (outline as drawn; the poured copper is in the pictures)
+5V on In2.Cu: 0.51,64.26 99.82,64.41 99.77,12.14 10.72,12.14 10.72,23.41 0.21,23.41 0.15,64.26
GND on In1.Cu: 0.51,64.26 99.82,64.41 99.77,12.14 10.72,12.14 10.72,23.41 0.21,23.41 0.15,64.26

## Text on the board
B.Silkscreen: +
F.Silkscreen: Wozblaster Reloaded | v4.0
